# Allegro board 1156197-TDI_VU3P_QSFP28_CXP_V001_1023A-166-20241121_1644_PCB.brd (continued)
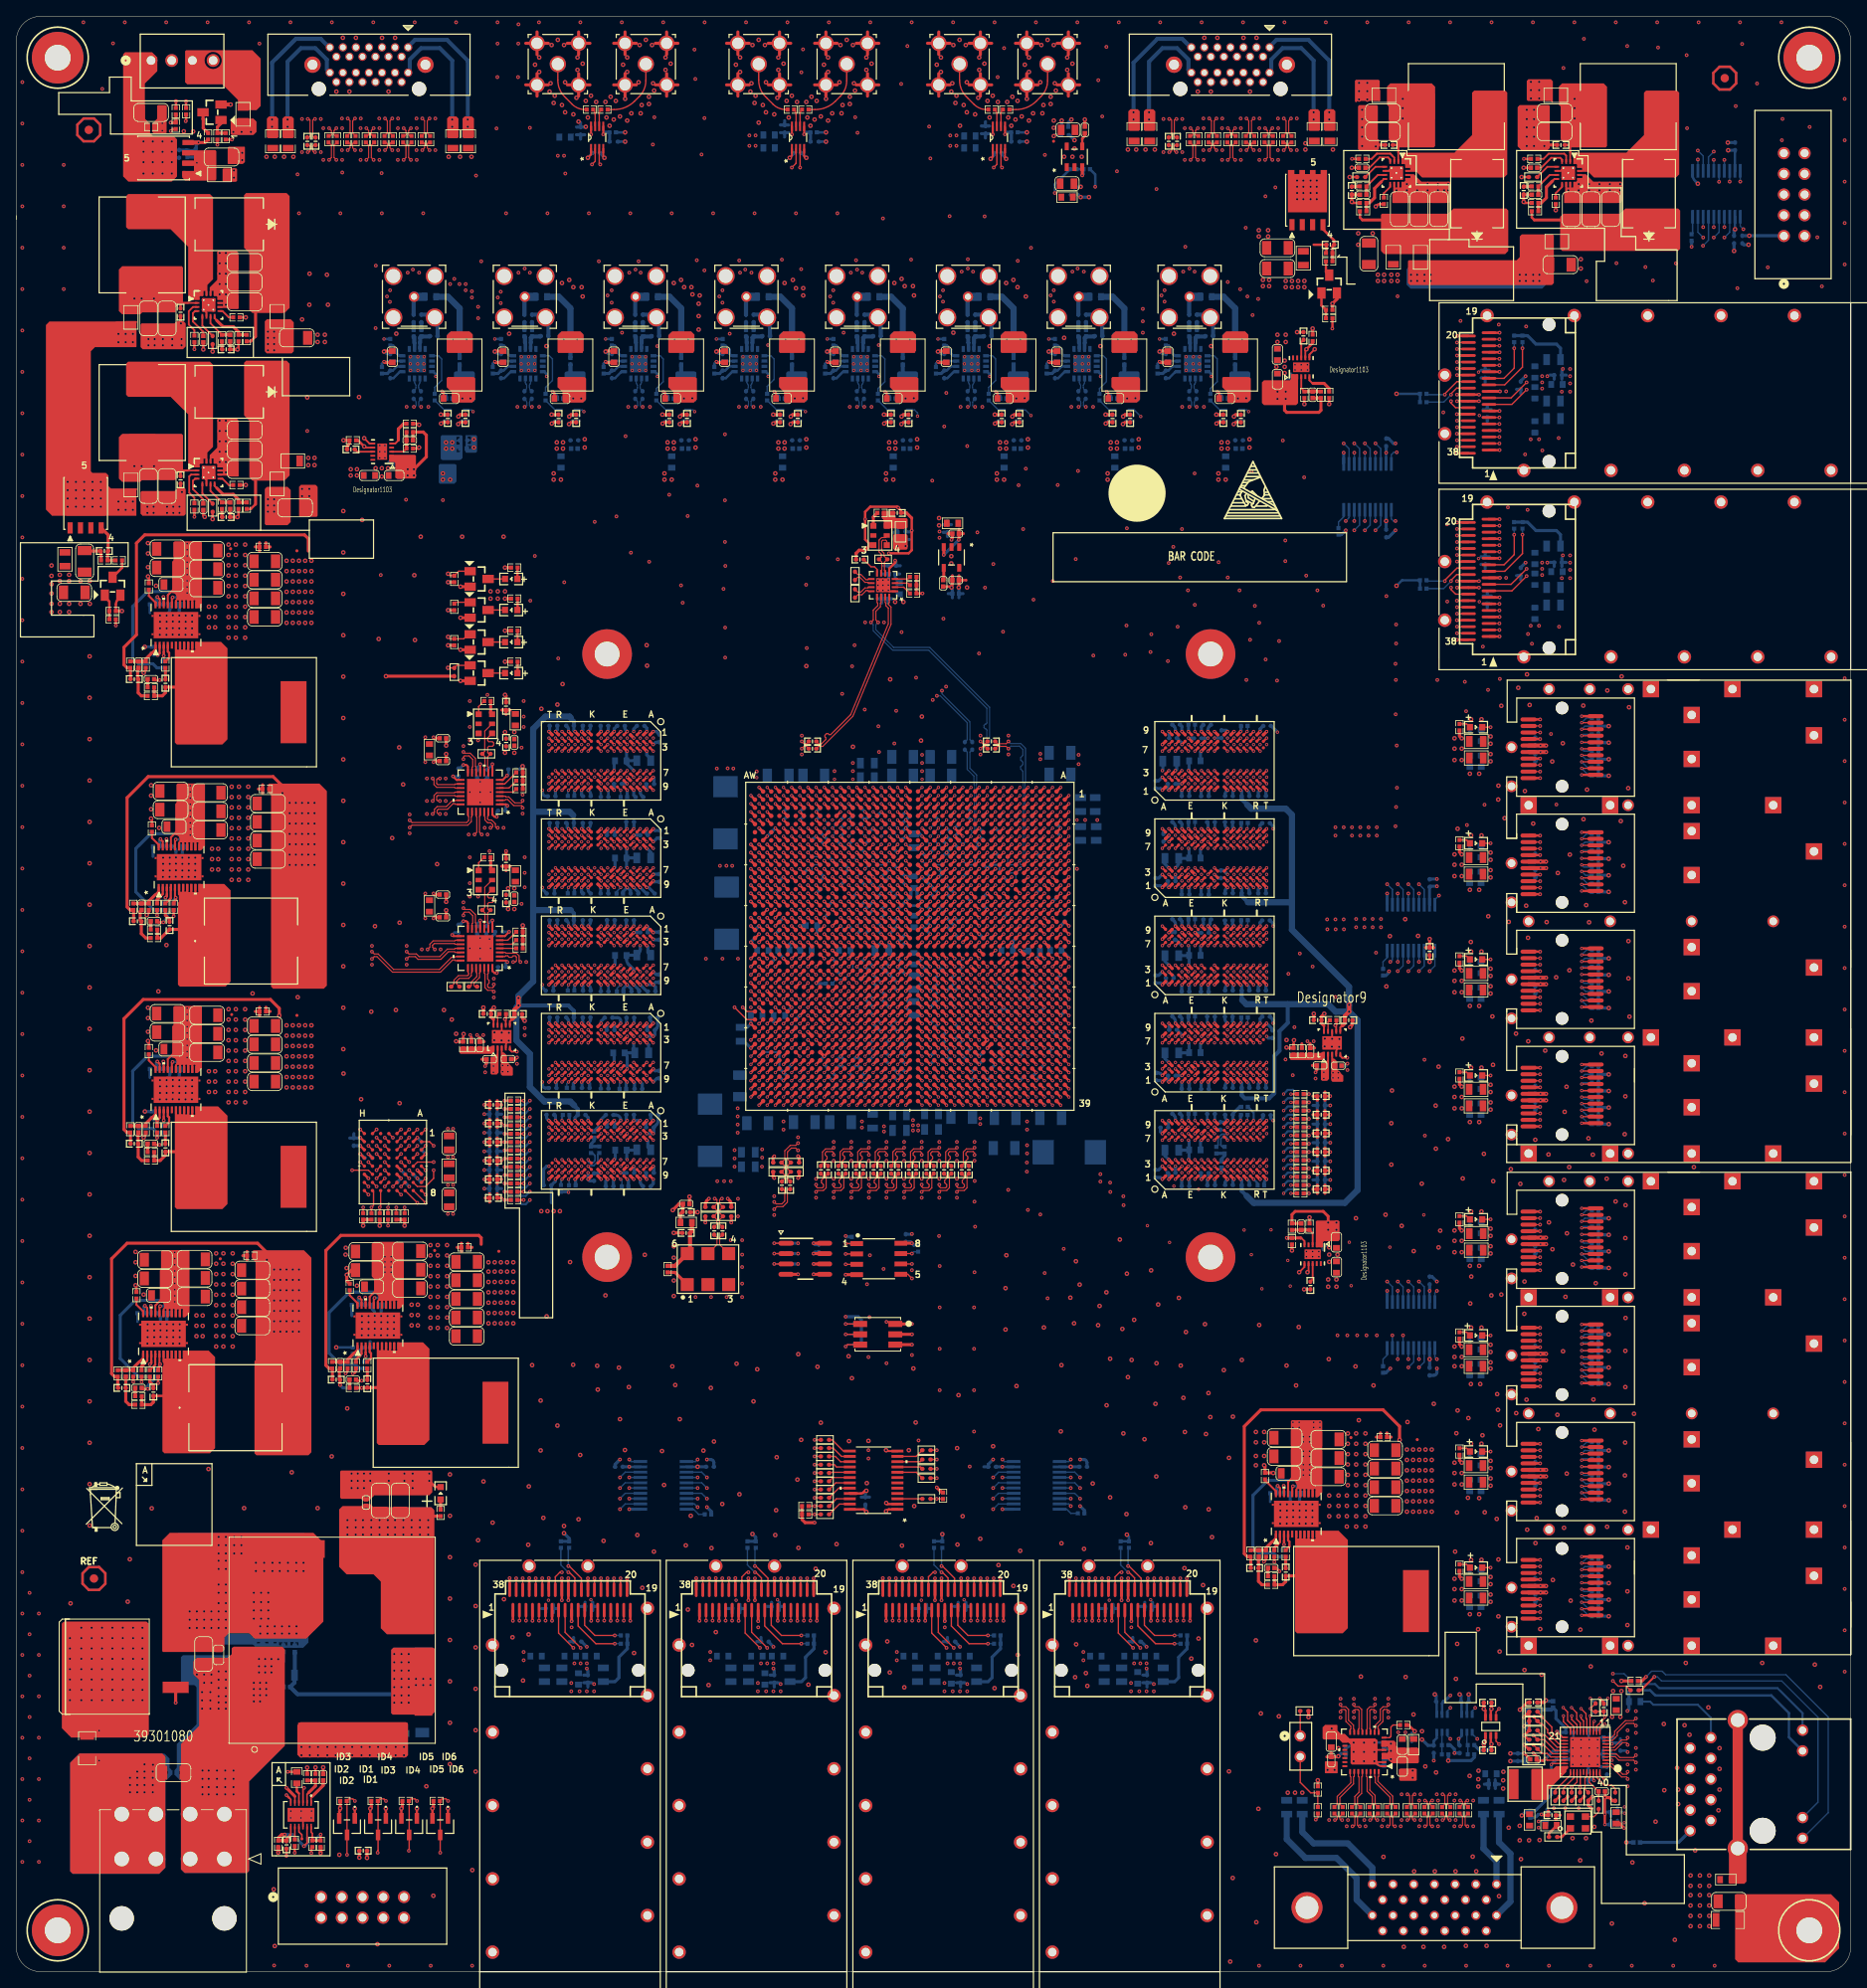
[diagram p0: board, top side]
## Routing (per net, layer and track width the routed paths; a pad name or vN(x,y) marks a point on that pad's centre or on a via; arc(x,y) is an arc through that point) (continued)
CHA_QSFP3_LPMODE_1V8: length 116
  TOP w0.152: U1.H27 v1(122.1,118.36)
  ART05 w0.122: v1(163.83,140.46) 163.83,175.9 163.58,176.15 163.58,177.55 v1(163.07,178.05)
  ART14 w0.122: v1(122.1,118.36) U1.H27 114.9,118.86 114.6,119.16 114.6,132.58 114.87,132.86 115.36,132.86 115.6,133.1 115.6,134.52 115.93,134.86 138.29,134.86 139.78,136.35 161.93,136.35 163.32,137.74 163.32,139.95 v1(163.83,140.46)
  BOTTOM w0.17: U21.9 163.46,178.45 v1(163.07,178.05)
CHA_QSFP3_MODPRSL: length 29.2
  TOP w0.17: J7.27 176.71,172.28 175.22,170.79 v1(175.22,170.68)
  ART05 w0.122: v1(175.22,170.68) 174,170.68 171.58,173.1 171.58,179.71 167.13,184.15 165.61,184.15 164.11,185.65 v1(164.11,186.44)
  BOTTOM w0.17: U21.13 v1(164.11,186.44) ; v1(175.22,170.68) 173.08,170.68 R251.2
CHA_QSFP3_MODPRSL_1V8: length 110.5
  TOP w0.152: U1.J26 v1(121.1,119.36)
  ART05 w0.122: v1(164.11,178.05) 164.72,177.44 164.72,176.53 164.85,176.4 v1(164.85,140.46)
  ART14 w0.122: v1(164.85,140.46) 164.34,139.95 164.34,137.32 158.73,131.71 139.43,131.71 138.29,132.86 122.95,132.86 122.68,132.59 122.68,132.21 122.3,131.83 116.87,131.83 116.6,131.56 116.6,121.09 116.84,120.85 119.3,120.85 119.63,120.52 119.63,120.14 119.89,119.89 120.27,119.89 120.8,119.36 v1(121.1,119.36)
  BOTTOM w0.17: U21.8 v1(164.11,178.05)
CHA_QSFP3_MODSEIL: length 39.3
  TOP w0.17: v1(185.25,171.29) 183.44,169.48 J7.8
  ART05 w0.122: v1(185.25,171.29) 185.52,171.29 186.18,171.96 186.18,173.61 185.93,173.86 184.31,173.86 183.29,172.85 178.82,172.85 177.8,173.86 177.8,178.56 176.28,180.09 172.97,180.09 167.89,185.17 166.68,185.17 v1(165.41,186.44)
  BOTTOM w0.17: U21.15 v1(165.41,186.44)
CHA_QSFP3_MODSEIL_1V8: length 108
  TOP w0.152: U1.G27 v1(123.1,118.36)
  ART05 w0.122: v1(165.86,140.46) 165.86,176.4 166.12,176.66 166.12,177.35 v1(165.41,178.05)
  ART14 w0.122: v1(123.1,118.36) 123.1,118.38 122.56,118.92 122.56,119.63 122.3,119.89 121.82,119.89 121.6,120.11 121.6,120.46 121.2,120.86 120.95,120.86 120.6,121.21 120.6,121.59 120.37,121.82 119.89,121.82 119.61,122.1 119.61,122.68 119.43,122.86 118.85,122.86 118.6,123.11 118.6,129.57 118.92,129.9 122.4,129.9 122.68,130.18 122.68,130.56 122.98,130.86 137.84,130.86 137.93,130.95 159.4,130.95 165.35,136.9 165.35,139.95 v1(165.86,140.46)
  BOTTOM w0.17: U21.6 v1(165.41,178.05)
CHA_QSFP3_RESETL: length 40.9
  TOP w0.17: J7.9 183.35,170.28 v1(185.25,172.18)
  ART05 w0.122: v1(185.25,172.18) 178.15,172.18 177.42,171.45 173.99,171.45 172.21,173.23 172.21,179.96 167.51,184.66 165.99,184.66 164.72,185.93 164.72,186.82 164.11,187.43 v1(164.11,187.58)
  BOTTOM w0.17: v1(164.11,187.58) 164.76,186.93 U21.14
CHA_QSFP3_RESETL_1V8: length 112.2
  TOP w0.152: U1.K26 v1(120.1,119.36)
  ART05 w0.122: v1(164.11,176.91) 164.11,176.38 164.34,176.15 164.34,139.95 v1(163.83,139.45)
  ART14 w0.122: v1(120.1,119.36) 119.78,119.36 119.28,119.86 115.91,119.86 115.6,120.16 115.6,132.57 115.89,132.86 122.32,132.86 123.32,133.86 137.92,133.86 139.69,132.09 158.39,132.09 163.83,137.53 v1(163.83,139.45)
  BOTTOM w0.17: v1(164.11,176.91) 164.76,177.56 U21.7
CHA_QSFP3_RX0_N: length 86.6
  TOP w0.14: U1.R1 v3(115.1,145.36) ; v1(181.91,177.48) 180.63,177.48 J7.18
  ART14 w0.102: v3(115.1,145.36) 115.1,145.06 arc(115.13,144.99) 115.2,144.96 115.39,144.96 arc(115.47,144.99) 115.5,145.07 115.5,145.67 115.45,145.72 115.45,145.75
  ART14 w0.114: v1(181.91,177.48) 181.78,177.35 arc(181.65,177.26) 181.5,177.23 181.24,177.23 arc(181.17,177.25) 181.1,177.29 180.29,178.11 arc(179.22,178.82) 177.96,179.07 174.53,179.07 arc(173.02,178.77) 171.74,177.91 168.16,174.33 arc(165.87,172.8) 163.17,172.27 139.99,172.27 arc(136.49,171.57) 133.51,169.58 117.85,153.91 arc(116.4,151.76) 115.9,149.21 115.9,147.03 arc(115.85,146.78) 115.71,146.57 115.61,146.48 arc(115.49,146.29) 115.45,146.08 115.45,145.75
CHA_QSFP3_RX0_P: length 86.7
  TOP w0.14: v1(181.91,176.68) 180.63,176.68 J7.17 ; U1.R2 v3(115.1,144.36)
  ART14 w0.102: 115.75,145.75 115.75,145.72 115.7,145.67 115.7,145.07 arc(115.61,144.85) 115.39,144.76 115.2,144.76 arc(115.13,144.73) 115.1,144.65 v3(115.1,144.36)
  ART14 w0.114: 115.75,145.75 115.75,146.08 arc(115.77,146.18) 115.83,146.26 115.93,146.35 arc(116.13,146.66) 116.2,147.03 116.2,149.21 arc(116.69,151.64) 118.06,153.7 133.73,169.36 arc(136.6,171.28) 139.99,171.96 163.17,171.96 arc(165.99,172.52) 168.37,174.11 171.95,177.69 arc(173.14,178.49) 174.53,178.76 177.96,178.76 arc(179.1,178.54) 180.07,177.89 180.31,177.65 arc(180.33,177.59) 180.31,177.54 180.31,177.54 arc(180.29,177.48) 180.31,177.42 180.52,177.21 arc(180.58,177.19) 180.63,177.21 arc(180.69,177.24) 180.75,177.21 180.88,177.08 arc(181.05,176.97) 181.24,176.93 181.5,176.93 arc(181.65,176.9) 181.78,176.81 v1(181.91,176.68)
CHA_QSFP3_RX1_N: length 77.9
  TOP w0.14: J7.21 176.72,177.08 v1(176.71,177.08) ; U1.N1 v3(117.1,145.36)
  ART14 w0.102: 117.45,145.87 117.45,145.85 117.5,145.79 117.5,145.07 arc(117.47,144.99) 117.39,144.96 117.2,144.96 arc(117.13,144.99) 117.1,145.06 v3(117.1,145.36)
  ART14 w0.114: v1(176.71,177.08) 176.54,176.91 arc(176.46,176.85) 176.36,176.83 176.1,176.83 174.21,176.83 arc(172.5,176.49) 171.05,175.52 169.13,173.6 arc(165.68,171.3) 161.61,170.49 139.44,170.49 arc(136.91,169.98) 134.77,168.55 119.72,153.5 arc(119.34,152.93) 119.2,152.24 119.2,149.28 arc(119.1,148.76) 118.8,148.32 117.88,147.4 arc(117.56,146.92) 117.45,146.35 117.45,145.87
CHA_QSFP3_RX1_P: length 77.9
  TOP w0.14: v1(176.71,176.28) 176.71,176.28 J7.22 ; U1.N2 v3(117.1,144.36)
  ART14 w0.102: v3(117.1,144.36) 117.1,144.65 arc(117.13,144.73) 117.2,144.76 117.39,144.76 arc(117.61,144.85) 117.7,145.07 117.7,145.79 117.75,145.85 117.75,145.87
  ART14 w0.114: v1(176.71,176.28) 176.54,176.45 arc(176.46,176.5) 176.36,176.52 176.23,176.52 arc(176.17,176.5) 176.15,176.45 arc(176.13,176.4) 176.08,176.38 175.77,176.38 arc(175.72,176.4) 175.7,176.45 arc(175.67,176.5) 175.62,176.52 174.21,176.52 arc(172.62,176.21) 171.26,175.3 169.34,173.38 arc(165.8,171.01) 161.61,170.18 139.44,170.18 arc(137.03,169.7) 134.99,168.34 119.94,153.29 arc(119.62,152.81) 119.51,152.24 119.51,149.28 arc(119.38,148.64) 119.02,148.1 118.1,147.18 arc(117.84,146.8) 117.75,146.35 117.75,145.87
CHA_QSFP3_RX2_N: length 80.7
  TOP w0.14: U1.L1 v3(119.1,145.36) ; v1(181.91,175.08) 180.63,175.08 J7.15
  ART14 w0.102: v3(119.1,145.36) 119.1,145.06 arc(119.13,144.99) 119.2,144.96 119.4,144.96 arc(119.61,144.87) 119.7,144.65 119.7,144.21 arc(119.78,144.03) 119.95,143.96 122.13,143.96 arc(122.39,144.07) 122.5,144.33 122.5,145.77 122.45,145.82 122.45,145.85
  ART14 w0.114: 122.45,145.85 122.45,148.25 arc(122.75,149.76) 123.6,151.03 134.49,161.93 arc(139.7,165.4) 145.84,166.62 165.85,166.62 arc(168.86,167.22) 171.41,168.93 173.14,170.65 arc(174.3,171.43) 175.68,171.7 arc(176.3,171.83) 176.83,172.18 179.16,174.52 arc(179.51,174.75) 179.93,174.83 181.5,174.83 arc(181.65,174.86) 181.78,174.95 v1(181.91,175.08)
CHA_QSFP3_RX2_P: length 80.7
  TOP w0.14: J7.14 180.63,174.28 v1(181.91,174.28) ; U1.L2 v3(119.1,144.36)
  ART14 w0.102: v3(119.1,144.36) 119.1,144.65 arc(119.13,144.73) 119.2,144.76 119.4,144.76 arc(119.47,144.73) 119.5,144.65 119.5,144.21 arc(119.63,143.89) 119.95,143.76 122.13,143.76 arc(122.54,143.92) 122.7,144.33 122.7,145.77 122.75,145.82 122.75,145.85
  ART14 w0.114: 122.75,145.85 122.75,148.25 arc(123.03,149.64) 123.82,150.81 134.71,161.71 arc(139.82,165.12) 145.84,166.32 165.85,166.32 arc(168.98,166.94) 171.63,168.71 173.36,170.44 arc(174.42,171.15) 175.68,171.4 arc(176.42,171.54) 177.04,171.96 179.38,174.3 arc(179.63,174.47) 179.93,174.53 180.69,174.53 arc(180.75,174.5) 180.78,174.44 arc(180.8,174.37) 180.87,174.35 181.14,174.35 arc(181.21,174.37) 181.24,174.44 arc(181.26,174.5) 181.33,174.53 181.5,174.53 arc(181.65,174.5) 181.78,174.41 v1(181.91,174.28)
CHA_QSFP3_RX3_N: length 75.5
  TOP w0.14: v1(176.71,174.68) 178.12,174.68 J7.24 ; U1.J1 v3(121.1,145.36)
  ART14 w0.102: 121.45,145.87 121.45,145.85 121.5,145.79 121.5,145.07 arc(121.47,144.99) 121.39,144.96 121.2,144.96 arc(121.13,144.99) 121.1,145.06 v3(121.1,145.36)
  ART14 w0.114: v1(176.71,174.68) 176.55,174.51 arc(176.46,174.45) 176.35,174.43 176.3,174.43 arc(176.22,174.45) 176.16,174.49 175.66,174.98 arc(175.5,175.09) 175.3,175.13 173.65,175.13 arc(172.79,174.96) 172.06,174.48 169.98,172.4 arc(165.9,169.67) 161.07,168.71 139.97,168.71 arc(136.97,168.11) 134.43,166.42 121.05,153.03 arc(120.66,152.45) 120.52,151.76 120.52,147.98 arc(120.53,147.8) 120.57,147.62 arc(120.71,147.27) 120.94,146.98 121.2,146.71 arc(121.38,146.44) 121.45,146.12 121.45,145.87
CHA_QSFP3_RX3_P: length 75.5
  TOP w0.14: v1(176.71,173.88) 178.12,173.88 J7.25 ; U1.J2 v3(121.1,144.36)
  ART14 w0.102: v3(121.1,144.36) 121.1,144.65 arc(121.13,144.73) 121.2,144.76 121.39,144.76 arc(121.61,144.85) 121.7,145.07 121.7,145.79 121.75,145.85 121.75,145.87
  ART14 w0.114: v1(176.71,173.88) 176.58,174.01 arc(176.45,174.09) 176.3,174.12 176.3,174.12 arc(176.1,174.16) 175.94,174.27 175.45,174.77 arc(175.38,174.81) 175.3,174.83 175.11,174.83 arc(175.06,174.8) 175.04,174.75 arc(175.01,174.7) 174.96,174.68 174.65,174.68 arc(174.6,174.7) 174.58,174.75 arc(174.56,174.8) 174.5,174.83 173.65,174.83 arc(172.91,174.68) 172.28,174.26 170.2,172.18 arc(166.01,169.38) 161.07,168.4 139.97,168.4 arc(137.09,167.83) 134.65,166.2 121.27,152.82 arc(120.94,152.33) 120.83,151.76 120.83,147.98 arc(120.84,147.84) 120.87,147.7 arc(120.98,147.43) 121.16,147.19 121.42,146.93 arc(121.67,146.56) 121.75,146.12 121.75,145.87
CHA_QSFP3_TX0_N: length 84.5
  TOP w0.14: J7.37 176.72,164.28 v1(176.71,164.28) ; U1.P4 v3(116.1,142.36)
  ART16 w0.102: v3(116.1,142.36) 116.1,142.15 arc(116.05,142.01) 115.91,141.96 115.89,141.96 arc(115.76,142.01) 115.7,142.15 115.7,143.62 115.72,144.01 115.72,145.76 115.78,145.81 115.78,145.84
  ART16 w0.114: v1(176.71,164.28) 176.58,164.41 arc(176.45,164.49) 176.3,164.52 176.27,164.52 arc(176.14,164.5) 176.03,164.43 176.03,164.43 arc(175.46,164.04) 174.77,163.9 arc(174.05,164.05) 173.44,164.46 168.71,169.19 arc(165.64,171.24) 162.01,171.96 144.86,171.96 arc(136.95,170.38) 130.24,165.9 119.02,154.68 119.02,154.68 117.76,153.42 arc(117.32,152.77) 117.17,152 117.17,150.97 arc(117.19,150.92) 117.25,150.9 arc(117.3,150.88) 117.32,150.82 117.32,150.52 arc(117.3,150.46) 117.25,150.44 arc(117.19,150.42) 117.17,150.36 117.17,150.06 arc(117.19,150.01) 117.25,149.98 arc(117.3,149.96) 117.32,149.91 117.32,149.6 arc(117.3,149.55) 117.25,149.53 arc(117.19,149.5) 117.17,149.45 117.17,149.14 arc(117.19,149.09) 117.25,149.07 arc(117.3,149.05) 117.32,148.99 117.32,148.69 arc(117.3,148.63) 117.25,148.61 arc(117.19,148.59) 117.17,148.54 117.17,148.15 arc(117.14,147.91) 117.04,147.7 arc(116.94,147.56) 116.83,147.44 116.66,147.27 arc(116.63,147.19) 116.66,147.12 arc(116.69,147.04) 116.66,146.96 116.49,146.79 arc(116.41,146.76) 116.34,146.79 arc(116.26,146.82) 116.19,146.79 116,146.61 arc(115.84,146.36) 115.78,146.06 115.78,145.84
CHA_QSFP3_TX0_P: length 84.5
  TOP w0.14: U1.P5 v3(116.1,141.36) ; J7.36 178.12,165.08 v1(176.71,165.08)
  ART16 w0.102: 115.47,145.84 115.47,145.81 115.52,145.76 115.52,144.02 115.5,143.62 115.5,142.15 arc(115.61,141.87) 115.89,141.76 115.91,141.76 arc(116.05,141.7) 116.1,141.57 v3(116.1,141.36)
  ART16 w0.114: 115.47,145.84 115.47,146.06 arc(115.55,146.48) 115.79,146.83 116.61,147.66 arc(116.64,147.68) 116.66,147.7 arc(116.72,147.78) 116.78,147.86 arc(116.84,148) 116.86,148.15 116.86,152 arc(117.04,152.89) 117.54,153.64 118.8,154.9 118.8,154.9 124.41,160.51 124.41,160.51 130.02,166.12 arc(136.83,170.67) 144.86,172.27 162.01,172.27 arc(165.75,171.52) 168.93,169.4 169.72,168.61 arc(169.73,168.6) 169.73,168.6 173.65,164.68 arc(174.17,164.33) 174.77,164.21 arc(175.34,164.32) 175.82,164.64 arc(176.02,164.78) 176.27,164.83 176.3,164.83 arc(176.45,164.86) 176.58,164.95 v1(176.71,165.08)
CHA_QSFP3_TX1_N: length 92.3
  TOP w0.14: v1(181.91,164.68) 180.63,164.68 J7.2 ; U1.M4 v3(118.1,142.36)
  ART16 w0.102: 121.47,145.84 121.47,145.81 121.52,145.76 121.52,144.2 121.5,143.81 121.5,143.28 121.5,141.33 arc(121.39,141.07) 121.13,140.96 119,140.96 arc(118.79,141.05) 118.7,141.26 118.7,141.59 arc(118.6,141.85) 118.34,141.96 118.28,141.96 arc(118.15,142.01) 118.1,142.14 v3(118.1,142.36)
  ART16 w0.114: v1(181.91,164.68) 182.04,164.81 arc(182.17,164.9) 182.32,164.93 182.44,164.93 arc(182.62,164.85) 182.7,164.67 182.7,164.08 arc(182.65,163.81) 182.49,163.59 182.14,163.23 arc(182.07,163.21) 182.01,163.23 182.01,163.23 arc(181.94,163.26) 181.88,163.23 181.68,163.04 arc(181.66,162.98) 181.68,162.91 181.69,162.91 arc(181.71,162.84) 181.69,162.78 181.49,162.59 arc(181.43,162.56) 181.36,162.59 arc(181.3,162.61) 181.23,162.59 181.04,162.39 arc(181.01,162.33) 181.04,162.26 181.04,162.26 arc(181.07,162.2) 181.04,162.13 180.88,161.98 arc(179.7,161.19) 178.31,160.91 178.1,160.91 arc(178.03,160.94) 178.01,161 arc(177.98,161.06) 177.92,161.09 177.64,161.09 arc(177.58,161.06) 177.55,161 arc(177.52,160.94) 177.46,160.91 177.18,160.91 arc(177.12,160.94) 177.09,161 arc(177.07,161.06) 177,161.09 176.72,161.09 arc(176.66,161.06) 176.63,161 arc(176.61,160.94) 176.55,160.91 173.48,160.91 arc(172.71,161.06) 172.06,161.5 167.6,165.95 arc(164.55,167.99) 160.95,168.71 145.49,168.71 arc(137.79,167.18) 131.27,162.82 123.65,155.2 120.96,152.51 arc(120.69,152.11) 120.6,151.64 120.6,148.02 arc(120.66,147.72) 120.82,147.47 121.19,147.1 arc(121.4,146.8) 121.47,146.44 121.47,145.84
CHA_QSFP3_TX1_P: length 92.3
  TOP w0.14: U1.M5 v3(118.1,141.36) ; J7.3 180.63,165.48 v1(181.91,165.48)
  ART16 w0.102: 121.78,145.84 121.78,145.81 121.72,145.76 121.72,144.2 121.7,143.8 121.7,143.32 121.7,141.33 arc(121.54,140.92) 121.13,140.76 119,140.76 arc(118.65,140.9) 118.5,141.26 118.5,141.59 arc(118.45,141.71) 118.34,141.76 118.24,141.76 arc(118.14,141.71) 118.1,141.62 v3(118.1,141.36)
  ART16 w0.114: 121.78,145.84 121.78,146.44 arc(121.68,146.92) 121.41,147.32 121.04,147.69 arc(120.94,147.84) 120.9,148.02 120.9,151.64 arc(120.97,151.99) 121.17,152.29 131.49,162.6 arc(137.91,166.9) 145.49,168.4 160.95,168.4 arc(164.43,167.71) 167.39,165.74 171.84,161.28 arc(172.59,160.78) 173.48,160.6 178.31,160.6 arc(179.82,160.9) 181.1,161.76 182.71,163.37 arc(182.93,163.7) 183.01,164.08 183.01,164.67 arc(182.84,165.07) 182.44,165.23 182.32,165.23 arc(182.17,165.26) 182.04,165.35 v1(181.91,165.48)
CHA_QSFP3_TX2_N: length 87.6
  TOP w0.14: U1.K4 v3(120.1,142.36) ; J7.34 178.12,166.68 v1(176.71,166.68)
  ART16 w0.102: 120.42,145.84 120.42,145.81 120.48,145.76 120.48,144.2 120.5,143.8 120.5,142.11 120.5,142.07 120.5,142.07 arc(120.47,141.99) 120.39,141.96 120.29,141.96 arc(120.16,142.01) 120.1,142.15 v3(120.1,142.36)
  ART16 w0.114: 120.42,145.84 120.42,146.05 arc(120.4,146.16) 120.34,146.26 120.16,146.43 arc(120.1,146.46) 120.04,146.43 arc(119.98,146.41) 119.91,146.43 119.72,146.63 arc(119.69,146.69) 119.72,146.75 arc(119.74,146.82) 119.72,146.88 119.35,147.24 arc(119.22,147.41) 119.13,147.6 arc(119.11,147.65) 119.1,147.7 arc(119.08,147.81) 119.07,147.92 119.07,151.41 arc(119.34,152.74) 120.09,153.88 131.07,164.85 arc(137.31,169.02) 144.68,170.49 161.85,170.49 arc(165.16,169.83) 167.96,167.96 173.24,162.67 arc(173.51,162.49) 173.82,162.43 174.36,162.43 arc(174.42,162.46) 174.45,162.52 arc(174.48,162.58) 174.54,162.61 174.82,162.61 arc(174.88,162.58) 174.91,162.52 arc(174.93,162.46) 175,162.43 175.28,162.43 arc(175.34,162.46) 175.37,162.52 arc(175.39,162.58) 175.45,162.61 175.73,162.61 arc(175.8,162.58) 175.82,162.52 arc(175.85,162.46) 175.91,162.43 176.02,162.43 arc(176.49,162.53) 176.89,162.79 177.29,163.19 arc(177.67,163.76) 177.8,164.42 177.8,165.72 arc(177.77,165.78) 177.71,165.81 arc(177.65,165.83) 177.62,165.89 177.62,166.17 arc(177.65,166.24) 177.71,166.26 arc(177.77,166.29) 177.8,166.35 177.8,166.51 arc(177.68,166.8) 177.39,166.92 177.12,166.92 arc(176.97,166.89) 176.84,166.81 v1(176.71,166.68)
CHA_QSFP3_TX2_P: length 87.6
  TOP w0.14: U1.K5 v3(120.1,141.36) ; J7.33 178.12,167.48 v1(176.71,167.48)
  ART16 w0.102: 120.73,145.84 120.73,145.81 120.68,145.76 120.68,144.2 120.7,143.81 120.7,142.11 120.7,142.07 arc(120.61,141.85) 120.39,141.76 120.29,141.76 arc(120.16,141.7) 120.1,141.57 v3(120.1,141.36)
  ART16 w0.114: 120.73,145.84 120.73,146.05 arc(120.69,146.28) 120.56,146.47 119.57,147.46 arc(119.48,147.57) 119.42,147.7 arc(119.41,147.74) 119.4,147.77 arc(119.38,147.84) 119.38,147.92 119.38,151.41 arc(119.62,152.63) 120.31,153.66 131.28,164.63 arc(137.43,168.74) 144.68,170.18 161.85,170.18 arc(165.04,169.55) 167.74,167.74 173.03,162.45 arc(173.39,162.21) 173.82,162.13 176.02,162.13 arc(176.61,162.24) 177.11,162.57 177.51,162.98 arc(177.95,163.64) 178.11,164.42 178.11,166.51 arc(177.9,167.02) 177.39,167.23 177.12,167.23 arc(176.97,167.26) 176.84,167.35 v1(176.71,167.48)
CHA_QSFP3_TX3_N: length 89.1
  TOP w0.14: v1(181.91,167.08) 180.63,167.08 J7.5 ; U1.H4 v3(122.1,142.36)
  ART16 w0.102: 122.42,145.84 122.42,145.81 122.48,145.76 122.48,144.2 122.5,143.8 122.5,142.11 122.5,142.07 122.5,142.07 arc(122.47,141.99) 122.39,141.96 122.29,141.96 arc(122.16,142.01) 122.1,142.15 v3(122.1,142.36)
  ART16 w0.114: 122.42,145.84 122.42,147.43 arc(122.4,147.49) 122.34,147.52 arc(122.28,147.54) 122.25,147.6 122.25,147.89 arc(122.28,147.95) 122.34,147.97 arc(122.4,148) 122.42,148.06 122.42,148.34 arc(122.4,148.4) 122.34,148.43 122.32,148.43 arc(122.26,148.46) 122.24,148.52 122.24,148.8 arc(122.26,148.86) 122.32,148.89 122.34,148.89 arc(122.4,148.91) 122.42,148.97 122.42,149.22 arc(122.74,150.82) 123.65,152.18 132.9,161.42 arc(138.66,165.27) 145.45,166.62 160.82,166.62 arc(164.35,165.92) 167.35,163.92 169.36,161.91 170.27,161 arc(171.92,159.9) 173.86,159.51 178.56,159.51 arc(180.09,159.82) 181.38,160.68 183.33,162.63 arc(183.8,163.34) 183.97,164.18 183.97,165.77 arc(183.94,165.83) 183.88,165.85 arc(183.82,165.88) 183.79,165.94 183.79,166.22 arc(183.82,166.28) 183.88,166.31 arc(183.94,166.34) 183.97,166.4 183.97,166.54 arc(183.9,166.88) 183.71,167.16 183.65,167.23 arc(183.53,167.3) 183.4,167.33 183.13,167.33 arc(183.07,167.3) 183.04,167.24 arc(183.02,167.18) 182.96,167.16 182.67,167.16 arc(182.61,167.18) 182.59,167.24 arc(182.56,167.3) 182.5,167.33 182.32,167.33 arc(182.17,167.3) 182.04,167.21 v1(181.91,167.08)
CHA_QSFP3_TX3_P: length 89.1
  TOP w0.14: J7.6 181.91,167.88 v1(181.91,167.88) ; U1.H5 v3(122.1,141.36)
  ART16 w0.102: v3(122.1,141.36) 122.1,141.57 arc(122.16,141.7) 122.29,141.76 122.39,141.76 arc(122.61,141.85) 122.7,142.07 122.7,142.11 122.7,143.81 122.68,144.2 122.68,145.76 122.73,145.81 122.73,145.84
  ART16 w0.114: 122.73,145.84 122.73,149.22 arc(123.03,150.7) 123.87,151.96 133.11,161.21 arc(138.77,164.99) 145.45,166.32 160.82,166.32 arc(164.24,165.64) 167.13,163.7 169.24,161.59 170.05,160.78 arc(171.8,159.61) 173.86,159.2 178.56,159.2 arc(180.2,159.53) 181.6,160.46 183.54,162.41 arc(184.09,163.22) 184.28,164.18 184.28,166.54 arc(184.19,166.99) 183.93,167.38 183.86,167.44 arc(183.65,167.59) 183.4,167.64 182.32,167.64 arc(182.17,167.67) 182.04,167.75 v1(181.91,167.88)
CHA_QSFP3_VCCI: length 4.2
  TOP w0.305: v1(176.71,169.88) J7.30 v1(179.41,169.88)
  BOTTOM w0.381: C493.1 180.43,169.38 ; C493.1 180.93,168.84 ; C493.1 179.92,168.84
CHA_QSFP3_VCCRX: length 2.4
  TOP w0.356: v1(181.97,171.08) 181.97,171.08 J7.10
  BOTTOM w0.381: 184.02,171.36 C489.1 184.53,170.82
  vias: v1(182.74,171.08)
CHA_QSFP3_VCCTX: length 4.2
  TOP w0.305: v1(176.71,170.68) 176.71,170.68 J7.29 179.41,170.68 v1(179.41,170.68)
  BOTTOM w0.381: C491.1 180.68,172.73 ; C491.1 179.66,172.73 ; C491.1 180.17,172.19
CHA_QSFP4_I2C_SCL: length 61
  TOP w0.17: J9.11 68.91,42.43 71.09,40.26 v1(73.41,40.26) ; v1(97.92,64.26) R509.2
  ART05 w0.122: v1(97.92,64.26) 93.95,60.3 93.95,53.19 91.6,50.84 91.6,48.48 92.33,47.75 92.33,42.8 94.11,41.02 94.11,39.04 93.55,38.48 89.41,38.48 87.44,40.45 84.58,40.45 82.61,38.48 78.61,38.48 76.83,40.26 v1(73.41,40.26)
  BOTTOM w0.17: R254.2 v1(73.41,40.26)
CHA_QSFP4_I2C_SDA: length 58.8
  TOP w0.17: J9.12 69.71,42.52 70.96,41.27 v1(73.41,41.27) ; v1(97.92,65.28) R508.2
  ART05 w0.122: v1(73.41,41.27) 77.43,41.27 77.64,41.49 83.99,41.49 84.45,41.02 87.76,41.02 89.79,38.99 93.16,38.99 93.6,39.43 93.6,40.77 91.69,42.67 91.69,47.37 91.1,47.96 91.1,51.1 92.48,52.48 92.48,59.84 v1(97.92,65.28)
  BOTTOM w0.17: R255.2 v1(73.41,41.27)
CHA_QSFP4_INTL: length 5.9
  TOP w0.17: v1(67.71,49.02) 67.82,49.02 68.51,48.33 J9.28
  BOTTOM w0.17: R257.2 66.8,49.92 67.69,49.02 v1(67.71,49.02)
CHA_QSFP4_LPMODE: length 26.4
  TOP w0.17: J9.31 66.11,48.46 66.67,49.02 v1(66.91,49.02)
  ART05 w0.122: v1(66.91,49.02) 66.93,49.04 66.93,51.69 69.8,54.56 69.8,58.12 73.41,61.72 74.55,61.72 74.93,61.34 75.56,61.34 75.82,61.09 75.82,60.33 75.56,60.07 74.75,60.07 v1(74.04,59.37)
  BOTTOM w0.17: U22.16 74.69,60.02 v1(74.04,59.37)
CHA_QSFP4_LPMODE_1V8: length 92.6
  TOP w0.152: U1.P24 v1(116.1,121.36)
  ART12 w0.122: v1(116.1,121.36) 115.75,121.36 115.32,121.79 111.89,121.79 111.63,121.54 111.63,106.17 114.3,103.5 114.3,73.95 110.33,69.98 95.46,69.98 84.85,59.37 v1(84.71,59.37)
  BOTTOM w0.17: v1(84.71,59.37) 84.06,60.02 U22.5
CHA_QSFP4_MODPRSL: length 22.9
  TOP w0.17: J9.27 69.31,48.29 67.82,49.78 v1(67.71,49.78)
  ART05 w0.122: v1(67.71,49.78) 67.71,51.33 70.48,54.1 70.48,58.04 73.66,61.21 74.42,61.21 74.97,60.67 v1(75.18,60.67)
  BOTTOM w0.17: U22.17 v1(75.18,60.67) ; v1(67.71,49.78) 67.71,51.92 R256.2
CHA_QSFP4_MODPRSL_1V8: length 97
  TOP w0.152: v1(118.1,122.36) 118.1,122.36 U1.L23
  ART12 w0.122: v1(118.1,122.36) 118,122.36 117.55,122.81 116.97,122.81 116.59,123.19 116.59,123.57 116.33,123.83 115.95,123.83 115.57,124.21 115.57,124.59 115.32,124.84 111,124.84 109.96,123.8 109.96,105.31 112.14,103.12 112.14,73.88 109.76,71.5 94.83,71.5 84.67,61.34 84.24,61.34 v1(83.57,60.67)
  BOTTOM w0.17: U22.4 v1(83.57,60.67)
CHA_QSFP4_MODSEIL: length 35.9
  TOP w0.17: J9.8 66.51,41.56 v1(68.33,39.75)
  ART05 w0.122: v1(68.33,39.75) 67.31,40.77 67.31,43.43 66.17,44.58 66.17,48.77 65.53,49.4 65.53,54.61 73.15,62.23 74.55,62.23 v1(75.18,62.87)
  BOTTOM w0.17: U22.20 75.43,62.62 v1(75.18,62.87)
CHA_QSFP4_MODSEIL_1V8: length 98.3
  TOP w0.152: v1(119.1,122.36) 119.1,122.36 U1.K23
  ART12 w0.122: v1(119.1,122.36) 119.1,122.55 118.54,123.11 118.54,123.65 118.36,123.83 116.97,123.83 116.59,124.21 116.59,124.59 115.95,125.22 110.62,125.22 109.6,124.21 109.6,104.9 109.22,104.52 109.22,102.87 109.6,102.49 109.6,93.09 111.58,91.11 111.58,74.04 109.55,72.01 94.62,72.01 84.96,62.36 84.07,62.36 v1(83.57,62.87)
  BOTTOM w0.17: U22.1 83.32,62.62 v1(83.57,62.87)
CHA_QSFP4_RESETL: length 31.5
  TOP w0.17: v1(69.22,39.75) 67.31,41.65 J9.9
  ART05 w0.122: v1(69.22,39.75) 68.71,40.26 68.71,50.93 71.08,53.3 71.08,57.7 v1(74.04,60.67)
  BOTTOM w0.17: v1(74.04,60.67) 74.69,61.32 U22.18
CHA_QSFP4_RESETL_1V8: length 97.8
  TOP w0.152: U1.L24 v1(119.1,121.36)
  ART12 w0.122: v1(84.71,60.67) 95.04,70.99 109.97,70.99 112.65,73.67 112.65,103.25 110.31,105.59 110.31,123.27 110.85,123.8 115.34,123.8 115.57,123.57 115.57,123.19 115.95,122.81 116.33,122.81 116.59,122.56 116.59,122.17 116.84,121.92 118.54,121.92 v1(119.1,121.36)
  BOTTOM w0.17: U22.3 84.06,61.32 v1(84.71,60.67)
CHA_QSFP4_RX0_N: length 82
  TOP w0.14: U1.AV37 v3(91.1,108.36) ; J9.18 v1(74.51,43.09)
  ART14 w0.102: v3(91.1,108.36) 91.1,108.57 arc(91.05,108.7) 90.91,108.76 89.76,108.76 89.71,108.7 89.69,108.7
  ART14 w0.114: 89.69,108.7 89.55,108.7 arc(89.47,108.67) 89.43,108.59 89.43,108.28 arc(89.46,108.23) 89.51,108.2 arc(89.56,108.18) 89.59,108.13 89.59,107.82 arc(89.56,107.77) 89.51,107.75 arc(89.46,107.72) 89.43,107.67 89.43,97.33 arc(89.47,97.14) 89.57,96.99 90.19,96.38 arc(90.36,96.11) 90.42,95.8 90.42,83.6 arc(90.24,82.7) 89.73,81.93 72.17,64.37 arc(71.68,63.63) 71.5,62.75 71.5,57.41 arc(71.15,55.64) 70.15,54.15 69.09,53.09 arc(68.81,52.66) 68.71,52.17 68.71,48.64 arc(68.78,48.29) 68.98,47.99 69.78,47.19 arc(70.28,46.85) 70.87,46.74 71.25,46.74 arc(71.72,46.64) 72.11,46.38 72.7,45.79 arc(72.75,45.77) 72.81,45.79 arc(72.86,45.81) 72.91,45.79 73.13,45.57 arc(73.15,45.51) 73.13,45.46 arc(73.11,45.41) 73.13,45.36 73.35,45.14 arc(73.4,45.12) 73.45,45.14 arc(73.5,45.16) 73.55,45.14 73.78,44.92 arc(73.8,44.87) 73.78,44.82 arc(73.75,44.77) 73.78,44.72 73.89,44.6 arc(74.17,44.18) 74.27,43.69 74.27,43.5 arc(74.3,43.35) 74.38,43.22 v1(74.51,43.09)
CHA_QSFP4_RX0_P: length 82
  TOP w0.14: J9.17 v1(73.71,43.09) ; U1.AV36 v3(91.1,109.36)
  ART14 w0.102: 89.69,109.01 89.71,109.01 89.76,108.96 90.91,108.96 arc(91.05,109.01) 91.1,109.15 v3(91.1,109.36)
  ART14 w0.114: v1(73.71,43.09) 73.84,43.22 arc(73.93,43.35) 73.96,43.5 73.96,43.69 arc(73.88,44.07) 73.67,44.39 71.9,46.16 arc(71.6,46.36) 71.25,46.43 70.87,46.43 arc(70.16,46.57) 69.56,46.97 68.76,47.77 arc(68.49,48.17) 68.4,48.64 68.4,52.17 arc(68.52,52.78) 68.87,53.3 69.93,54.36 arc(70.87,55.76) 71.19,57.41 71.19,62.75 arc(71.39,63.75) 71.95,64.59 89.52,82.15 arc(89.96,82.82) 90.12,83.6 90.12,95.8 arc(90.08,96) 89.97,96.16 89.36,96.77 arc(89.19,97.03) 89.13,97.33 89.13,108.59 arc(89.25,108.89) 89.55,109.01 89.69,109.01